# Altium PCB N-CW7Rev00.PcbDoc (part 4 of 4)
Units mm, origin at the board's own origin, x right, y up, seen from the top; angles counter-clockwise.
Board outline 137.9 x 91 mm, 2 copper layers (Top Layer, Bottom Layer), stack 1.54 mm thick; 332 components, 212 nets, 959 pads, 533 vias.
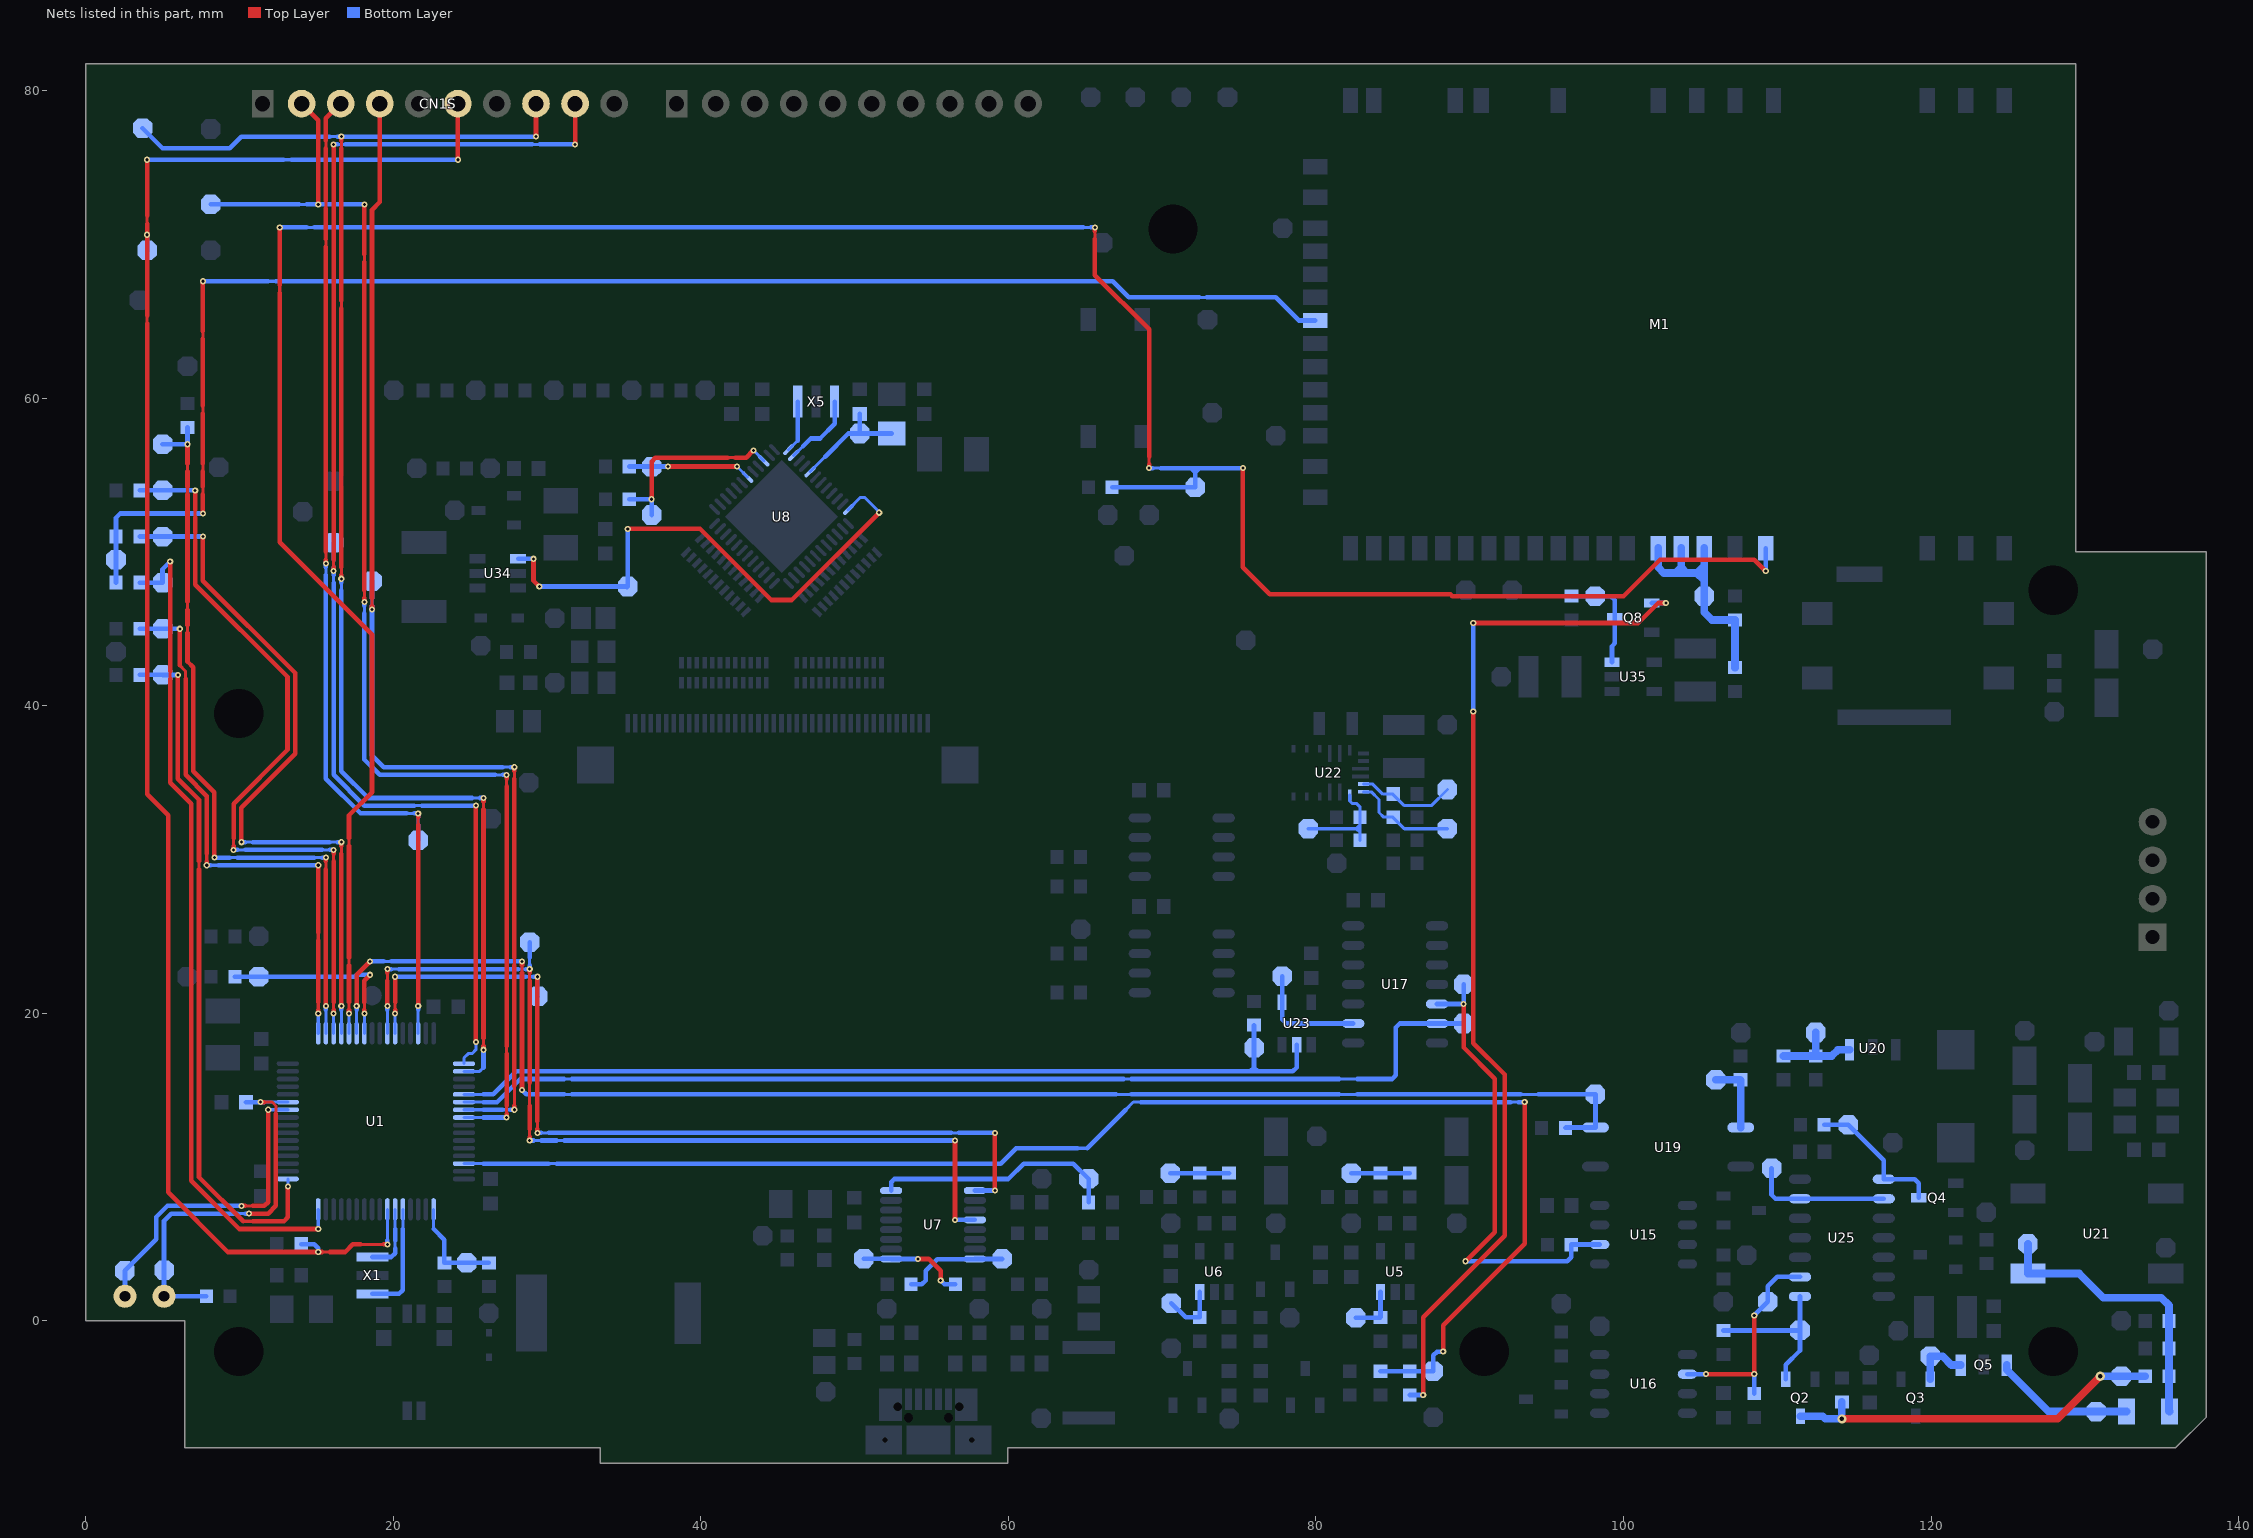
[diagram p4: the nets of this part, all layers, seen from the top]

## Via types
v1: diameter 0.4, hole 0.2, Top Layer to Bottom Layer, tented both sides, 308 vias
v2: diameter 0.8, hole 0.4, Top Layer to Bottom Layer, tented both sides, 104 vias
v3: diameter 0.5, hole 0.2, Top Layer to Bottom Layer, tented both sides, 64 vias
v4: diameter 0.5, hole 0.2, Top Layer to Bottom Layer, 25 vias
v5: diameter 0.6, hole 0.3, Top Layer to Bottom Layer, tented both sides, 20 vias
v6: diameter 1, hole 0.5, Top Layer to Bottom Layer, tented both sides, 12 vias

## Nets (pads, with @x,y where several pads share a name; then routed paths per layer and width w, separated by ;. In a path a pad name is that pad's centre, name@x,y a point inside that pad or via, vN(x,y) a via of type N, cw(c..) or ccw(c..) an arc to the next point about the centre after c; other vN are vias at no path point) (continued)
NetM1_A8: M1.A8 R78.1 R79.1 TP105.1 | length 98.5
  Top Layer w0.2: 7.625,53.75 7.625,54.25 ; 7.625,55.25 7.625,55.75 ; 7.625,59 7.625,59.5 ; 7.625,63.85 7.625,64.35
  Top Layer w0.3: v1(7.625,52.5) 7.625,53.75 ; 7.625,54.25 7.625,55.25 ; 7.625,55.75 7.625,59 ; 7.625,59.5 7.625,63.85 ; 7.625,64.35 v1(7.625,67.6)
  Bottom Layer w0.2: 11.875,67.6 12.375,67.6 ; 72.4,66.55 72.9,66.55
  Bottom Layer w0.3: R78.1@1.975,48 R79.1@1.975,51 1.975,52.225 2.25,52.5 v1(7.625,52.5) ; v1(7.625,67.6) 11.875,67.6 ; 12.375,67.6 13.875,67.6 63.25,67.6 66.775,67.6 67.825,66.55 72.4,66.55 ; 72.9,66.55 77.375,66.55 78.875,65.05 M1.A8@79.95,65.05
NetM1_C14: M1.C14 M1.C15 M1.C16 R104.2 R106.1 TP190.1 | length 17.1
  Bottom Layer w0.5: M1.C14@102.25,50.25 102.25,49 102.625,48.625 103.375,48.625 ; M1.C15@103.75,50.25 103.75,49 ; M1.C16@105.25,50.25 105.25,49.1 ; R106.1@107.25,42.475 R104.2@107.25,45.575 105.75,45.575 105.25,46.075 TP190.1@105.25,47.125 105.25,48.15 ; 103.375,48.625 104.125,48.625 ; 103.375,48.625 103.75,49 ; 103.75,49 104.125,48.625 ; 104.125,48.625 104.775,48.625 ; 104.775,48.625 105.25,48.15 ; 104.775,48.625 105.25,49.1 ; 105.25,48.15 105.25,49.1
NetQ2_1: Q2.1 R77.2 TP150.1 U25.8 | length 10.7
  Bottom Layer w0.3: R77.2@106.5,-0.625 TP150.1@111.475,-0.625 ; Q2.1@110.55,-3.8 110.55,-2.85 111.475,-1.925 TP150.1@111.475,-0.625 ; U25.8@111.475,1.59 TP150.1@111.475,-0.625
NetQ2_3: Q2.3 R72.1 R75.1 TP151.1 | length 24.7
  Top Layer w0.5: v5(114.2,-6.375) 128.225,-6.375 v5(131,-3.6)
  Bottom Layer w0.5: Q2.3@111.5,-6.2 112.95,-6.2 113.125,-6.375 v5(114.2,-6.375) R75.1@114.2,-5.275 ; v5(131,-3.6) TP151.1@132.375,-3.6 R72.1@133.925,-3.6
NetQ3_2: Q3.2 Q5.1 TP153.1 | length 3.7
  Bottom Layer w0.5: Q3.2@119.95,-3.8 TP153.1@119.95,-2.3 120.75,-2.3 121.325,-2.875 Q5.1@121.925,-2.875
NetQ4_3: Q4.3 R69.2 TP148.1 U25.1 | length 9.4
  Bottom Layer w0.3: R69.2@113.05,12.75 TP148.1@114.625,12.75 116.925,10.45 U25.1@116.925,9.21 118.94,9.21 119.2,8.95 Q4.3@119.2,8
NetQ5_3: Q5.3 R76.1 TP187.1 | length 9.2
  Bottom Layer w0.5: Q5.3@124.925,-2.875 124.925,-3.175 127.65,-5.9 TP187.1@130.725,-5.9 R76.1@132.7,-5.9
NetQ8_1: Q8.1 R101.2 | length 68.1
  Top Layer w0.3: v1(86.975,-4.825) 86.975,0.225 92.275,5.525 92.275,16.019 90.231,18.063 v1(90.231,39.619) ; v1(90.231,45.375) 100.95,45.375 102.25,46.675 v1(102.75,46.675)
  Bottom Layer w0.3: R101.2@86.1,-4.825 v1(86.975,-4.825) ; v1(90.231,39.619) v1(90.231,45.375) ; Q8.1@101.825,46.675 v1(102.75,46.675)
NetQ8_3: Q8.3 R100.1 TP188.1 U35.3 | length 7
  Bottom Layer w0.3: R100.1@96.625,47.125 99.175,47.125 99.425,46.875 Q8.3@99.425,45.725 99.425,44.05 99.25,43.875 U35.3@99.25,42.825
NetR1_2: R1.2 R2.1 TP47.1 U1.1 | length 6.7
  Bottom Layer w0.2: 22.625,5.975 U1.1@22.625,7.25
  Bottom Layer w0.3: 22.625,5.975 23.325,5.275 R1.2@23.325,3.775 TP47.1@24.775,3.775 R2.1@26.225,3.775
NetR11_1: R11.1 R12.2 TP73.1 | length 3.8
  Bottom Layer w0.3: TP73.1@82.3,9.6 R12.2@84.2,9.6 R11.1@86.1,9.6
NetR16_1: R16.1 R17.2 TP69.1 | length 3.8
  Bottom Layer w0.3: TP69.1@70.525,9.6 R17.2@72.45,9.6 R16.1@74.35,9.6
NetR19_2: R19.2 TP182.1 U6.3 | length 3.9
  Bottom Layer w0.3: TP182.1@70.6,1.15 71.525,0.225 R19.2@72.45,0.225 U6.3@72.45,1.875
NetR24_1: R24.1 TP64.1 U7.9 | length 7
  Top Layer w0.3: v1(54.125,4.025) 54.825,4.025 55.6,3.25 v1(55.6,2.625)
  Bottom Layer w0.3: TP64.1@50.6,4.05 52.353,4.05 U7.9@52.375,4.028 52.378,4.025 v1(54.125,4.025) ; v1(55.6,2.625) 55.85,2.375 R24.1@56.55,2.375
NetR25_1: R25.1 TP63.1 U7.8 | length 7
  Bottom Layer w0.3: R25.1@53.675,2.375 54.375,2.375 54.625,2.625 54.625,3.25 55.375,4 57.797,4 U7.8@57.825,4.028 57.828,4.025 TP63.1@59.6,4.025
NetR33_1: R33.1 TP81.1 U8.7 | length 8
  Top Layer w0.3: v1(37.875,55.55) v1(42.354,55.55)
  Bottom Layer w0.2: v1(42.354,55.55) U8.7@43.04,54.863
  Bottom Layer w0.3: R33.1@35.35,55.55 v1(37.875,55.55)
NetR34_1: R34.1 TP82.1 U8.10 | length 12.8
  Top Layer w0.2: 41.75,56.125 42.25,56.125
  Top Layer w0.3: v1(36.8,53.425) 36.8,55.875 37.05,56.125 41.75,56.125 ; 42.25,56.125 42.95,56.125 v1(43.425,56.6)
  Bottom Layer w0.2: v1(43.425,56.6) U8.10@44.101,55.924
  Bottom Layer w0.3: R34.1@35.35,53.425 v1(36.8,53.425) TP82.1@36.8,52.4
NetR48_2: R48.2 TP184.1 U22.17 | length 6.5
  Bottom Layer w0.2: U22.17@83.1,34.9 83.7,34.9 84.35,34.25 85,34.25 85.75,33.5 87.5,33.5 TP184.1@88.55,34.55
NetR50_2: R50.2 TP144.1 U15.6 U17.5 | length 31
  Top Layer w0.3: v1(89.6,20.605) 89.6,17.775 91.625,15.75 91.625,5.768 v1(89.732,3.875)
  Bottom Layer w0.3: U17.5@87.875,20.605 v1(89.6,20.605) TP144.1@89.6,21.875 ; v1(89.732,3.875) 96.35,3.875 96.6,4.125 R50.2@96.6,4.95 96.615,4.965 U15.6@98.45,4.965
NetR65_1: R65.1 TP161.1 U19.1 | length 4.7
  Bottom Layer w0.3: R65.1@107.6,15.675 R65.1@107.625,15.65
  Bottom Layer w0.5: TP161.1@106,15.675 R65.1@107.6,15.675 ; U19.1@107.625,12.57 R65.1@107.625,15.65
NetR67_2: R67.2 R68.1 TP162.1 U20.1 | length 6
  Bottom Layer w0.5: R68.1@110.4,17.225 R67.2@112.5,17.225 ; TP162.1@112.5,18.75 R67.2@112.5,17.225 ; U20.1@114.7,17.625 113.95,17.625 113.55,17.225 R67.2@112.5,17.225
NetR70_2: R70.2 TP149.1 U16.6 U25.9 | length 14
  Top Layer w0.3: v1(105.366,-3.465) v1(108.5,-3.465) v1(108.5,0.35)
  Bottom Layer w0.3: U16.6@104.15,-3.465 v1(105.366,-3.465) ; R70.2@108.5,-4.725 v1(108.5,-3.465) ; v1(108.5,0.35) 108.5,0.375 TP149.1@109.375,1.25 109.375,2.25 109.985,2.86 U25.9@111.475,2.86
NetR72_2: R72.2 R73.2 R74.2 R76.2 TP154.1 U21.1 | length 18.9
  Bottom Layer w0.5: TP154.1@126.3,5 U21.1@126.3,3.075 129.625,3.075 131.2,1.5 134.975,1.5 135.475,1 R73.2@135.475,0 R74.2@135.475,-1.8 R72.2@135.475,-3.6 135.475,-5.875 R76.2@135.5,-5.9
NetR94_2: R94.2 R95.1 TP186.1 U22.1 | length 7.5
  Bottom Layer w0.2: TP186.1@79.5,32 82.625,32 ; U22.1@82.2,34.2 82.2,33.8 82.35,33.65 82.625,33.65 82.875,33.4 R95.1@82.875,32.75 82.875,32.25 ; R94.2@82.875,31.25 82.875,31.75 ; 82.625,32 82.875,32 ; 82.625,32 82.875,31.75 ; 82.625,32 82.875,32.25 ; 82.875,31.75 82.875,32 ; 82.875,32 82.875,32.25
NetR96_2: R96.2 TP185.1 U22.18 | length 6.9
  Bottom Layer w0.2: U22.18@83.1,34.4 83.6,34.4 84.1,33.9 84.1,33.05 84.4,32.75 85,32.75 85.75,32 TP185.1@88.55,32
NetR99_2: R99.2 TP183.1 U5.3 | length 3.3
  Bottom Layer w0.3: TP183.1@82.6,0.2 84.175,0.2 R99.2@84.2,0.225 U5.3@84.2,1.875
NetR103_2: R103.2 TP87.1 U1.39 | length 12.8
  Top Layer w0.2: 18.125,20.225 18.125,20.725
  Top Layer w0.3: v1(18.125,19.975) 18.125,20.225 ; 18.125,20.725 18.125,22.125 v1(18.5,22.5)
  Bottom Layer w0.2: U1.39@18.125,18.7 v1(18.125,19.975)
  Bottom Layer w0.3: R103.2@9.7,22.375 TP87.1@11.25,22.375 17.5,22.375 17.625,22.5 v1(18.5,22.5)
NetTP85_1: TP85.1 U8.24 U34.4 | length 35.9
  Top Layer w0.3: v1(29.125,49.55) 29.125,48.125 v1(29.5,47.75) ; v1(35.25,51.5) 39.95,51.5 44.575,46.875 45.925,46.875 v1(51.6,52.55)
  Bottom Layer w0.2: U8.24@49.581,52.742 50.389,53.55 50.65,53.55 v1@51.6,52.6
  Bottom Layer w0.3: U34.4@28.125,49.55 v1(29.125,49.55) ; v1(29.5,47.75) 35.15,47.75 35.2,47.7 TP85.1@35.25,47.75 v1(35.25,51.5) ; v1(51.6,52.55) v1@51.6,52.6
NetTP141_1: TP141.1 U17.9 U23.4 | length 7.5
  Bottom Layer w0.3: TP141.1@77.8,22.41 U23.4@77.8,20.71 77.8,19.595 78.06,19.335 U17.9@82.425,19.335
NetTP147_1: TP147.1 U25.2 U25.13 | length 9.1
  Bottom Layer w0.3: TP147.1@109.625,9.925 109.625,8.2 109.885,7.94 U25.13@111.475,7.94 U25.2@116.925,7.94
NetU1_5: U1.5 X1.1 | length 7.3
  Bottom Layer w0.2: 20.625,5.975 U1.5@20.625,7.25
  Bottom Layer w0.3: X1.1@18.65,1.75 20.375,1.75 20.625,2 20.625,5.975
NetU1_6: U1.6 X1.3 | length 4.4
  Bottom Layer w0.2: 20.125,4.725 20.125,5.225 ; 20.125,5.975 U1.6@20.125,7.25
  Bottom Layer w0.3: X1.3@18.65,4.15 19.875,4.15 20.125,4.4 20.125,4.725 ; 20.125,5.225 20.125,5.975
NetU8_13: U8.13 X5.1 | length 3.4
  Bottom Layer w0.2: U8.13@45.692,56.631 46.3,57.239
  Bottom Layer w0.3: 46.3,57.239 X5.1@46.3,59.775
NetU8_14: U8.14 X5.3 | length 5
  Bottom Layer w0.2: U8.14@46.045,56.277 46.654,56.886
  Bottom Layer w0.3: 46.654,56.886 47.143,57.375 47.75,57.375 48.7,58.325 X5.3@48.7,59.775
PWREN#: R23.1 TP65.1 U7.16 | length 15.8
  Bottom Layer w0.3: U7.16@52.375,8.473 52.375,9.025 52.575,9.225 60,9.225 61,10.225 64.225,10.225 TP65.1@65.225,9.225 R23.1@65.225,7.7
ST_JTAG_TCK: CN1S.9 TP15.1 U1.49 | length 88.5
  Top Layer w0.2: 16.125,49 16.125,49.5
  Top Layer w0.3: v1(16.125,48.75) 16.125,49 ; 16.125,49.5 v1(16.125,76.5) ; v1(25.375,18.125) v1(25.375,33.5) ; v1(31.825,76.5) CN1S.9@31.825,79.15
  Bottom Layer w0.2: 16.125,48 16.125,48.5 ; 16.125,49 16.125,49.5 ; 16.375,76.5 16.875,76.5 ; 21.375,33.5 21.875,33.5 ; U1.49@24.6,16.725 24.6,17.1 24.875,17.375 25.125,17.375 25.375,17.625 v1(25.375,18.125) ; 29.035,76.5 29.535,76.5
  Bottom Layer w0.3: 16.125,48 16.125,35.5 18.125,33.5 21.375,33.5 ; 16.125,48.5 v1(16.125,48.75) 16.125,49 ; 16.125,49.5 TP15.1@16.125,50.6 ; v1(16.125,76.5) 16.375,76.5 ; 16.875,76.5 29.035,76.5 ; 21.875,33.5 v1(25.375,33.5) ; 29.535,76.5 v1(31.825,76.5)
ST_JTAG_TDI: CN1S.8 TP16.1 U1.50 | length 98.7
  Top Layer w0.2: 16.625,48.5 16.625,49 ; 16.625,65.85 16.625,66.35 ; 16.625,76.25 16.625,76.75 ; 25.875,17.875 25.875,18.375 ; 25.875,33.25 25.875,33.75
  Top Layer w0.3: v1(16.625,48.25) 16.625,48.5 ; 16.625,49 16.625,65.85 ; 16.625,66.35 16.625,76.25 ; 16.625,76.75 v1(16.625,77) ; v1(25.875,17.625) 25.875,17.875 ; 25.875,18.375 25.875,33.25 ; 25.875,33.75 v1(25.875,34) ; v1(29.285,77) CN1S.8@29.285,79.15
  Bottom Layer w0.2: 15.875,77 16.375,77 ; 16.625,47.5 16.625,48 ; U1.50@24.6,16.225 25.625,16.225 25.875,16.475 ; 25.125,34 25.625,34
  Bottom Layer w0.3: TP16.1@3.7,77.55 5,76.25 9.375,76.25 10.125,77 15.875,77 ; 16.375,77 v1(29.285,77) ; 16.625,47.5 16.625,35.75 18.375,34 25.125,34 ; 16.625,48 v1(16.625,48.25) ; 25.625,34 v1(25.875,34) ; 25.875,16.475 v1(25.875,17.625)
ST_JTAG_TDO: CN1S.4 TP20.1 U1.55 | length 79.6
  Top Layer w0.2: 18.625,46.5 18.625,47 ; 27.875,13.975 27.875,15.25 ; 27.875,23.125 27.875,23.625 ; 27.875,35.25 27.875,35.75
  Top Layer w0.3: v1(18.625,46.25) 18.625,46.5 ; 18.625,47 18.625,72.25 19.125,72.75 CN1S.4@19.125,79.15 ; v1(27.875,13.725) 27.875,13.975 ; 27.875,15.25 27.875,23.125 ; 27.875,23.625 27.875,35.25 ; 27.875,35.75 v1(27.875,36)
  Bottom Layer w0.2: 18.625,46.5 18.625,47 ; U1.55@24.6,13.725 25.875,13.725 ; 27.125,13.725 27.625,13.725 ; 27.125,36 27.625,36
  Bottom Layer w0.3: 18.625,46.5 v1(18.625,46.25) 18.625,36.75 19.375,36 27.125,36 ; 18.625,47 TP20.1@18.625,48.1 ; 25.875,13.725 27.125,13.725 ; 27.625,13.725 v1(27.875,13.725) ; 27.625,36 v1(27.875,36)
ST_JTAG_TMS: CN1S.3 TP14.1 U1.46 | length 67.3
  Top Layer w0.2: 15.625,49.5 15.625,50 ; 15.625,69.85 15.625,70.35 ; 15.625,72.35 15.625,72.85 ; 15.625,76.25 15.625,76.75 ; 21.625,32.25 21.625,32.75
  Top Layer w0.3: v1(15.625,49.25) 15.625,49.5 ; 15.625,50 15.625,69.85 ; 15.625,70.35 15.625,72.35 ; 15.625,72.85 15.625,76.25 ; 15.625,76.75 15.625,78.19 CN1S.3@16.585,79.15 ; v1(21.625,20.475) 21.625,32.25 ; 21.625,32.75 v1(21.625,33)
  Bottom Layer w0.2: 15.625,48.5 15.625,49 ; 20.875,33 21.375,33 ; U1.46@21.625,18.7 21.625,20.225 ; 21.625,32.25 21.625,32.75
  Bottom Layer w0.3: 15.625,48.5 15.625,35.25 17.875,33 20.875,33 ; 15.625,49 v1(15.625,49.25) ; 21.375,33 v1(21.625,33) 21.625,32.75 ; 21.625,20.225 v1(21.625,20.475) ; TP14.1@21.625,31.25 21.625,32.25
ST_JTAG_TRST#: CN1S.2 TP21.1 U1.56 | length 87.8
  Top Layer w0.2: 18.125,47 18.125,47.5 ; 18.125,68.85 18.125,69.35 ; 27.375,13.475 27.375,13.975 ; 27.375,17.375 27.375,17.875 ; 27.375,34.75 27.375,35.25
  Top Layer w0.3: CN1S.2@14.045,79.15 15.125,78.07 v1(15.125,72.6) ; v1(18.125,46.75) 18.125,47 ; 18.125,47.5 18.125,68.85 ; 18.125,69.35 v1(18.125,72.6) ; v1(27.375,13.225) 27.375,13.475 ; 27.375,13.975 27.375,17.375 ; 27.375,17.875 27.375,34.75 ; 27.375,35.25 v1(27.375,35.5)
  Bottom Layer w0.2: 13.875,72.6 14.375,72.6 ; 18.125,46 18.125,46.5 ; U1.56@24.6,13.225 25.875,13.225 ; 26.625,35.5 27.125,35.5
  Bottom Layer w0.3: TP21.1@8.125,72.6 13.875,72.6 ; 14.375,72.6 v1(15.125,72.6) v1(18.125,72.6) ; 18.125,46 18.125,36.5 19.125,35.5 26.625,35.5 ; 18.125,46.5 v1(18.125,46.75) ; 25.875,13.225 v1(27.375,13.225) ; 27.125,35.5 v1(27.375,35.5)
ST_RST#: C8.2 CN1S.6 TP49.1 U1.7 | length 112.4
  Top Layer w0.2: 4,64.85 4,65.35 ; 4,71.35 4,71.85 ; 15.375,4.475 15.875,4.475 ; 17.875,4.975 19.375,4.975
  Top Layer w0.3: 4,64.85 4,34.25 5.375,32.875 5.375,8.35 9.25,4.475 v1(15.125,4.475) 15.375,4.475 ; 4,65.35 4,71.35 ; 4,71.85 v1(4,75.5) ; 15.875,4.475 16.875,4.475 17.375,4.975 17.875,4.975 ; 19.375,4.975 v1(19.625,4.975) ; v1(24.205,75.5) CN1S.6@24.205,79.15
  Bottom Layer w0.2: 12.875,75.5 13.375,75.5 ; 19.625,5.225 U1.7@19.625,7.25
  Bottom Layer w0.3: TP49.1@4,69.6 v1(4,70.625) ; v1(4,75.5) 12.875,75.5 ; 13.375,75.5 v1(24.205,75.5) ; C8.2@14.025,4.975 14.875,4.975 15.125,4.725 v1(15.125,4.475) ; v1(19.625,4.975) 19.625,5.225
ST_SPI2_MISO: R82.2 TP107.1 U1.34 | length 49
  Top Layer w0.2: 6.625,44.75 6.625,45.25 ; 6.625,46.25 6.625,46.75 ; 6.625,53.75 6.625,54.25 ; 6.625,55.25 6.625,55.75 ; 15.625,29.375 15.625,29.875
  Top Layer w0.3: 6.625,44.75 6.625,42.875 7,42.5 7,35.75 8.375,34.375 v1(8.375,30.125) ; 6.625,45.25 6.625,46.25 ; 6.625,46.75 6.625,53.75 ; 6.625,54.25 6.625,55.25 ; 6.625,55.75 v1(6.625,57) ; v1(15.625,20.475) 15.625,29.375 ; 15.625,29.875 v1(15.625,30.125)
  Bottom Layer w0.2: 9.375,30.125 9.875,30.125 ; 14.875,30.125 15.375,30.125 ; U1.34@15.625,18.7 15.625,19.975 15.625,20.225
  Bottom Layer w0.3: TP107.1@5,57 v1(6.625,57) R82.2@6.625,58.1 ; v1(8.375,30.125) 9.375,30.125 ; 9.875,30.125 14.875,30.125 ; 15.375,30.125 v1(15.625,30.125) ; 15.625,20.225 v1(15.625,20.475)
ST_SPI2_MOSI: R81.2 TP108.1 U1.33 | length 36.9
  Top Layer w0.2: 6.125,42.625 6.5,42.25 6.5,41.75 ; 7.875,29.875 7.875,30.375 ; 15.125,20.225 15.125,20.725 ; 15.125,24.75 15.125,25.25
  Top Layer w0.3: 6.125,42.625 v1(6.125,45) ; 6.5,41.75 6.5,35.5 7.875,34.125 7.875,30.375 ; v1(7.875,29.625) 7.875,29.875 ; v1(15.125,19.975) 15.125,20.225 ; 15.125,20.725 15.125,24.75 ; 15.125,25.25 v1(15.125,29.625)
  Bottom Layer w0.2: 8.125,29.625 8.625,29.625 ; U1.33@15.125,18.7 v1(15.125,19.975)
  Bottom Layer w0.3: R81.2@3.525,45 TP108.1@5,45 v1(6.125,45) ; v1(7.875,29.625) 8.125,29.625 ; 8.625,29.625 v1(15.125,29.625)
ST_SPI2_NSS: R79.2 TP110.1 U1.36 | length 48.1
  Top Layer w0.2: 16.625,30.375 16.625,30.875
  Top Layer w0.3: 7.625,49.375 7.625,48.125 ; v1(7.625,51) 7.625,48.125 ; v1(10.125,31.125) 10.125,33.375 13.625,36.875 13.625,42.125 7.625,48.125 ; v1(16.625,20.475) 16.625,30.375 ; 16.625,30.875 v1(16.625,31.125)
  Bottom Layer w0.2: 10.375,31.125 10.875,31.125 ; 15.875,31.125 16.375,31.125 ; U1.36@16.625,18.7 16.625,20.225
  Bottom Layer w0.3: R79.2@3.525,51 TP110.1@5,51 v1(7.625,51) ; v1(10.125,31.125) 10.375,31.125 ; 10.875,31.125 15.875,31.125 ; 16.375,31.125 v1(16.625,31.125) ; 16.625,20.225 v1(16.625,20.475)
ST_SPI2_SCK: R83.2 TP106.1 U1.35 | length 49.8
  Top Layer w0.2: 7.125,50.75 7.125,51.25 ; 7.125,52.25 7.125,52.75 ; 9.625,30.875 9.625,31.375 ; 16.125,20.225 16.125,20.725 ; 16.125,29.875 16.125,30.375
  Top Layer w0.3: 7.125,48.3 7.125,47.875 ; 7.125,50.75 7.125,47.875 ; 7.125,51.25 7.125,52.25 ; 7.125,52.75 v1(7.125,54) ; v1(9.625,30.625) 9.625,30.875 ; 9.625,31.375 9.625,33.625 13.125,37.125 13.125,41.875 7.125,47.875 ; v1(16.125,19.975) 16.125,20.225 ; 16.125,20.725 16.125,21.875 16.125,29.875 ; 16.125,30.375 v1(16.125,30.625)
  Bottom Layer w0.2: 9.875,30.625 10.375,30.625 ; 15.375,30.625 15.875,30.625 ; U1.35@16.125,18.7 v1(16.125,19.975)
  Bottom Layer w0.3: R83.2@3.525,54 TP106.1@5,54 v1(7.125,54) ; v1(9.625,30.625) 9.875,30.625 ; 10.375,30.625 15.375,30.625 ; 15.875,30.625 v1(16.125,30.625)
ST_UART2_RX: R80.2 TP109.1 U1.17 | length 45.3
  Top Layer w0.2: 7.375,29.375 7.375,29.875 ; 10.25,6.475 10.875,6.475
  Top Layer w0.3: v1(6,41.992) 6,35.25 7.375,33.875 7.375,29.875 ; 7.375,29.375 7.375,26.25 7.375,9.35 10.25,6.475 ; 10.875,6.475 12.9,6.475 13.15,6.725 v1(13.15,8.725)
  Bottom Layer w0.2: v1(13.15,8.725) U1.17@13.15,9.225
  Bottom Layer w0.3: R80.2@3.525,42 TP109.1@5,42 5.008,41.992 v1(6,41.992)
ST_UART2_TX: R78.2 TP111.1 U1.16 | length 54.7
  Top Layer w0.2: 5.5,41.75 5.5,42.25
  Top Layer w0.3: 5.5,41.75 5.5,35 6.875,33.625 6.875,9.1 10,5.975 v1(15.125,5.975) ; 5.5,42.25 v1(5.5,49.375)
  Bottom Layer w0.2: v1(15.125,5.975) U1.16@15.125,7.25
  Bottom Layer w0.3: R78.2@3.525,48 TP111.1@5,48 5,48.875 v1(5.5,49.375)
THM_MES: C12.2 R5.2 TH1.1 TP18.1 U1.27 | length 25.7
  Top Layer w0.2: 11.625,14.225 12.125,14.225 12.375,13.975 12.375,13.475
  Top Layer w0.3: v1(10.625,6.975) 11.875,6.975 12.375,7.475 12.375,13.475 ; v1(11.375,14.225) 11.625,14.225
  Bottom Layer w0.2: 9.875,6.975 10.375,6.975 ; 11.625,14.225 U1.27@13.15,14.225
  Bottom Layer w0.3: R5.2@7.85,1.6 TH1.1@5.1,1.6 TP18.1@5.1,3.3 5.1,6.5 5.575,6.975 9.875,6.975 ; 10.375,6.975 v1(10.625,6.975) ; C12.2@10.425,14.225 v1(11.375,14.225) 11.625,14.225
TWB_PWR: R49.1 TP39.1 U1.38 U19.4 | length 97.3
  Top Layer w0.2: 28.375,22.625 28.375,23.125
  Top Layer w0.3: v1(17.625,20.475) 17.625,22.5 v1(18.5,23.375) ; v1(28.375,15) 28.375,22.625 ; 28.375,23.125 v1(28.375,23.375)
  Bottom Layer w0.2: U1.38@17.625,18.7 17.625,19.975 17.625,20.225 ; 19.375,23.375 19.875,23.375 ; 31.125,14.725 31.625,14.725 ; 67,14.725 67.5,14.725 68,14.725 ; 81.5,14.725 82.675,14.725 ; 93.325,14.725 93.825,14.725 94.475,14.725
  Bottom Layer w0.3: 17.625,20.225 v1(17.625,20.475) ; v1(18.5,23.375) 19.375,23.375 ; 19.875,23.375 v1(28.375,23.375) ; v1(28.375,15) 28.65,14.725 31.125,14.725 ; 31.625,14.725 67,14.725 ; 68,14.725 81.5,14.725 ; 82.675,14.725 93.325,14.725 ; 94.475,14.725 95.55,14.725 TP39.1@98.175,14.725 U19.4@98.175,12.57 96.245,12.57 R49.1@96.225,12.55
TWB_RX: TP41.1 U1.54 U17.6 | length 68.9
  Bottom Layer w0.2: U1.54@24.6,14.225 25.875,14.225 ; 31.125,15.725 31.625,15.725 ; 67.5,15.725 68,15.725 ; 81.5,15.725 82.675,15.725
  Bottom Layer w0.3: 25.875,14.225 26.75,14.225 28.25,15.725 31.125,15.725 ; 31.625,15.725 67.5,15.725 ; 68,15.725 81.5,15.725 ; 82.675,15.725 84.95,15.725 85.2,15.975 85.2,19.075 85.46,19.335 U17.6@87.875,19.335 TP41.1@89.6,19.335
TWB_TX: R51.2 TP40.1 U1.53 U23.2 | length 59.8
  Bottom Layer w0.2: U1.53@24.6,14.725 25.875,14.725
  Bottom Layer w0.3: 25.875,14.725 26.5,14.725 28,16.225 75.725,16.225 ; R51.2@75.975,19.225 TP40.1@75.975,17.75 75.975,16.475 ; U23.2@78.75,17.96 78.75,16.475 78.5,16.225 76.225,16.225 ; 75.725,16.225 76.225,16.225 ; 75.725,16.225 75.975,16.475 ; 75.975,16.475 76.225,16.225
USB_RX: TP10.1 U1.42 U7.4 | length 60.4
  Top Layer w0.2: 19.625,22.125 19.625,22.625 ; 28.875,11.975 28.875,12.475 ; 28.875,13.975 28.875,15.475 ; 28.875,22.125 28.875,22.625
  Top Layer w0.3: v1(19.625,20.475) 19.625,22.125 ; 19.625,22.625 v1(19.625,22.875) ; v1(28.875,11.725) 28.875,11.975 ; 28.875,12.475 28.875,13.975 ; 28.875,15.475 28.875,15.975 28.875,22.125 ; 28.875,22.625 v1(28.875,22.875) ; v1(56.527,6.568) v1(56.527,11.725)
  Bottom Layer w0.2: U1.42@19.625,18.7 19.625,19.975 19.625,20.225 ; 19.875,22.875 20.375,22.875 ; 28.125,22.875 28.625,22.875 ; 28.875,23.125 28.875,23.625 ; 29.125,11.725 29.625,11.725 ; 30.625,11.725 31.125,11.725
  Bottom Layer w0.3: 19.625,20.225 v1(19.625,20.475) ; v1(19.625,22.875) 19.875,22.875 ; 20.375,22.875 28.125,22.875 ; 28.625,22.875 v1(28.875,22.875) 28.875,23.125 ; v1(28.875,11.725) 29.125,11.725 ; 28.875,23.625 TP10.1@28.875,24.625 ; 29.625,11.725 30.625,11.725 ; 31.125,11.725 v1(56.527,11.725) ; v1(56.527,6.568) U7.4@57.825,6.568
USB_TX: TP11.1 U1.43 U7.1 | length 59.2
  Top Layer w0.2: 20.125,20.225 20.125,20.725 ; 29.375,12.475 29.375,12.975
  Top Layer w0.3: v1(20.125,19.975) 20.125,20.225 ; 20.125,20.725 v1(20.125,22.375) ; v1(29.375,12.225) 29.375,12.475 ; 29.375,12.975 v1(29.375,22.375) ; v1(59.123,8.473) v1(59.123,12.225)
  Bottom Layer w0.2: U1.43@20.125,18.7 v1(20.125,19.975) ; 28.625,22.375 29.125,22.375 ; 29.625,12.225 30.125,12.225 ; 56.275,12.225 56.775,12.225
  Bottom Layer w0.3: v1(20.125,22.375) 28.625,22.375 ; 29.125,22.375 v1(29.375,22.375) 29.375,21.125 TP11.1@29.4,21.1 ; v1(29.375,12.225) 29.625,12.225 ; 30.125,12.225 56.275,12.225 ; 56.775,12.225 v1(59.123,12.225) ; U7.1@57.825,8.473 v1(59.123,8.473)
VCORE: C31.2 C33.1 TP86.1 U8.17 | length 7.6
  Bottom Layer w0.2: U8.17@47.106,55.217 48.089,56.2
  Bottom Layer w0.3: 48.089,56.2 49.589,57.7 TP86.1@50.325,57.7 ; C31.2@50.325,58.975 TP86.1@50.325,57.7 ; C33.1@52.425,57.7 TP86.1@50.325,57.7
VDDMES: TH1.2 TP17.1 U1.26 | length 21.9
  Top Layer w0.2: 10.375,7.475 10.875,7.475
  Top Layer w0.3: TH1.2@2.55,1.61 TH1.2@2.56,1.6 ; v1(10.125,7.475) 10.375,7.475 ; 10.875,7.475 11.625,7.475 11.875,7.725 ; 11.875,8.15 11.875,7.725 ; v1(11.875,13.725) 11.875,7.725
  Bottom Layer w0.2: v1(11.875,13.725) U1.26@13.15,13.725
  Bottom Layer w0.3: TP17.1@2.55,3.25 4.6,5.3 4.6,6.75 5.325,7.475 ; TH1.2@2.56,1.6 TP17.1@2.56,3.24 ; 5.875,7.475 5.325,7.475 ; v1(10.125,7.475) 5.325,7.475
WIFI_DETECT: M1.C18 R105.2 TP189.1 U1.37 | length 183.5
  Top Layer w0.2: 12.625,66.85 12.625,67.35 ; 17.125,20.225 17.125,20.725 ; 17.125,23.125 17.125,23.625 ; 17.125,30.875 17.125,31.375 ; 65.625,70.35 65.625,70.85 ; 69.15,55.7 69.15,56.2
  Top Layer w0.3: 12.625,66.85 12.625,50.625 18.625,44.625 18.625,34.375 17.125,32.875 17.125,31.375 ; 12.625,67.35 v1(12.625,71.1) ; v1(17.125,19.975) 17.125,20.225 ; 17.125,20.725 17.125,23.125 ; 17.125,23.625 17.125,30.875 ; 65.625,70.35 65.625,68 69.15,64.475 69.15,56.2 ; 65.625,70.85 v1(65.625,71.1) ; v1(69.15,55.45) 69.15,55.7 ; v1(75.25,55.45) 75.25,49 77,47.25 ; 77.65,47.25 77,47.25 ; v1(109.25,48.75) 108.5,49.5 102.375,49.5 100,47.125 88.875,47.125 88.75,47.25 77,47.25
  Bottom Layer w0.2: 14.375,71.1 14.875,71.1 ; U1.37@17.125,18.7 v1(17.125,19.975) ; 64.875,71.1 65.375,71.1 ; 69.4,55.45 69.9,55.45
  Bottom Layer w0.3: v1(12.625,71.1) 14.375,71.1 ; 14.875,71.1 64.875,71.1 ; 65.375,71.1 v1(65.625,71.1) ; R105.2@66.75,54.2 TP189.1@72.15,54.2 72.15,55.191 ; v1(69.15,55.45) 69.4,55.45 ; 69.9,55.45 71.891,55.45 ; v1(75.25,55.45) 72.409,55.45 ; v1(109.25,48.75) M1.C18@109.25,50.25 ; 71.891,55.45 72.409,55.45 ; 71.891,55.45 72.15,55.191 ; 72.15,55.191 72.409,55.45
WIFI_PWR: R101.1 R102.1 TP113.1 U1.62 | length 94.3
  Top Layer w0.3: v1(88.275,-2) 88.275,-0.275 93.575,5.025 v1(93.575,14.225)
  Bottom Layer w0.2: U1.62@24.6,10.225 25.875,10.225 ; 30.125,10.225 30.625,10.225 ; 64.5,11.225 65.125,11.225 ; 67.625,13.725 68.125,14.225 68.625,14.225 ; 92.675,14.225 93.175,14.225
  Bottom Layer w0.3: 25.875,10.225 30.125,10.225 ; 30.625,10.225 59.5,10.225 60.5,11.225 64.5,11.225 ; 65.125,11.225 67.625,13.725 ; 68.625,14.225 92.675,14.225 ; R102.1@84.2,-3.275 R101.1@86.1,-3.275 TP113.1@87.625,-3.275 87.625,-2.25 87.875,-2 v1(88.275,-2) ; 93.175,14.225 v1(93.575,14.225)
pads on no net: CN2. CN2.4 CN3. CN3.32 CN3.33 CN3.35 D5.2 D6.2 D7.2 D8.2 L10.1 L10.8 L15.6 L15.7 L16.3 L16.6 M1. U1.57 U2.1 U2.2 U3.1 U3.2 U7.2 U7.6 U7.7 U7.14 U7.15 U8.1 U8.8 U15.1 U15.4 U16.1 U16.4 U17.2 U17.4 U17.10 U17.12 U22.2 U22.4 U22.5 U22.6 U22.10 U22.11 U22.15 U23.1 U25.4 U25.6 U25.10 U35.4 X3.2 X3.3

## Polygon pours and split planes (outlines as drawn)
GND on Top Layer "GND_L01_P000" (solid, remove dead copper, pour order 0): 1.25,80.5 80.75,80.5 80.75,51.05 118.5,51.05 118.5,39.25 100.625,39.25 100.625,19.275 98.175,16.825 98.175,9.025 98.45,8.75 98.45,-7 67.5,-7 67.5,-0.775 48.025,-0.775 48.025,-7 7.25,-7 7.25,0.75 1.25,0.75
ISOGND on Top Layer "ISOGND_L01_P001" (solid, remove dead copper, pour order 1): 104.125,19.625 136.625,19.625 136.625,-7 104.125,-7
GND on Bottom Layer "GND_L02_P002" (solid, remove dead copper, pour order 2): 13.15,9.225 13.15,16.725 15.125,18.7 22.625,18.7 24.6,16.725 24.6,9.225 22.625,7.25 15.125,7.25

## Keep-outs
Keep-Out Layer:
  circle w0.1: c127.95,47.5 r1.85
  circle w0.1: c70.7,71 r2
  circle w0.1: c9.95,39.5 r2
  circle w0.1: c9.95,-2 r2
  circle w0.1: c90.95,-2 r2
  circle w0.1: c127.95,-2 r2
  lines w0.1: 33.45,-7.25 7,-7.25 7,0.25 7,0.5 1,0.5 1,80.75 136.9,80.75 136.9,-7.25 65.8,-7.25 ; 31,17 59,17 59,34 31,34 31,17

## Other copper
Top Layer:
  region net GND: 45.25,49.189 48.361,52.3 45.25,55.411 42.139,52.3
  rectangle net 5V: 89.675,5.7 90.125,6.25
  rectangle net 5V: 89.025,5.025 89.9,6.225
  rectangle net GND: 80.8,30.7 85.9,43.25
  rectangle net GND: 74.15,39.95 80.8,43.25
  rectangle net 5V: 75.55,35.65 80.25,39.5
Bottom Layer:
  rectangle net 5V: 63.5,35.85 75.45,39.25
  rectangle net GND: 60.5,40.45 74.2,42.75
  rectangle net GND: 76.7,39.95 82.1,43.25
  rectangle net GND: 82.275,37.35 84.1,38.2
  rectangle net GND: 82.1,38.1 85.9,43.25
  rectangle net 5V: 75.45,35.65 80.25,39.5
  rectangle net GND: 82.1,36.75 84.1,37.65
  rectangle net GND: 82.3,36.4 83.1,36.75
  rectangle net GND: 83.1,36.4 83.75,36.75
  rectangle net GND: 83.75,36.65 84,36.75
  rectangle net GND: 83.75,36.55 83.9,36.65

## Silkscreen, mask and mechanical layers (free items; w line width, h text height)
Bottom Overlay:
  rectangle: 1,56.5 1.95,67.15
  rectangle: 1,6.725 1.95,17.375
  lines w0.1: 1,6.725 1,17.375 1.95,17.375 1.95,6.725 1,6.725 ; 1,56.5 1,67.15 1.95,67.15 1.95,56.5 1,56.5
  lines w0.5: 91,20.1 132.95,20.1 132.95,37.25 91,37.25 91,20.1
  text "BUS/POWER" at 117.925,29.55 h2
  text "CONNECT" at 115.925,26.275 h2
  text "Brivis" at 45.925,-5.025 h1.5
  text "N-CW7 Rev00" at 45.9,-7.1 h1.5
Top Courtyard:
  lines w0.1: 0,0 0,0
  text "Board Cutout" at 133.896,57.454 h1.5 r90
  text "Board Cutout 1mm" at 8.35,-11.55 h1.5
  text "Board Cutout 1mm" at 107.775,-11.55 h1.5
Mechanical 8:
  lines w0.1: 33.45,-8.25 33.45,-9.25 59.95,-9.25 59.95,-8.25 135.9,-8.25 137.9,-6.25 137.9,50 129.4,50 129.4,81.75 0,81.75 0,0 6.45,0 6.45,-8.25 33.45,-8.25 ; 33.45,-8.25 33.45,-8.25 ; 31.25,18 ccw(c31.75,18) 31.75,17.5 58.25,17.5 ccw(c58.25,18) 58.75,18 58.75,33 ccw(c58.25,33) 58.25,33.5 31.75,33.5 ccw(c31.75,33) 31.25,33 31.25,18 ; 82.75,53.55 ccw(c83.25,53.55) 83.25,53.05 125.9,53.05 ccw(c125.9,53.55) 126.4,53.55 126.4,76.05 ccw(c125.9,76.05) 125.9,76.55 83.25,76.55 ccw(c83.25,76.05) 82.75,76.05 82.75,53.55
Mechanical 16:
  lines w0.127: -28.846,-58.039 -23.766,-58.039 ; -28.846,12.446 -23.766,12.446 ; -28.846,82.931 -23.766,82.931 ; 20.43,-128.524 20.43,-123.444 ; 20.43,148.336 20.43,153.416 ; 69.579,-128.524 69.579,-123.444 ; 69.579,148.336 69.579,153.416 ; 118.728,-128.524 118.728,-123.444 ; 118.728,148.336 118.728,153.416 ; 168.004,-128.524 168.004,-123.444 ; 168.004,148.336 168.004,153.416 ; 217.153,-128.524 217.153,-123.444 ; 217.153,148.336 217.153,153.416 ; 245.474,-115.824 359.774,-115.824 ; 245.474,-108.204 359.774,-108.204 ; 245.474,-100.584 283.574,-100.584 ; 266.302,-128.524 266.302,-123.444 ; 266.302,148.336 266.302,153.416 ; 283.574,-123.444 283.574,-108.204 283.574,-92.964 ; 315.578,-128.524 315.578,-123.444 ; 315.578,148.336 315.578,153.416 ; 336.914,-123.444 336.914,-108.204 ; 359.774,-58.039 364.854,-58.039 ; 359.774,12.446 364.854,12.446 ; 359.774,82.931 364.854,82.931 ; 245.474,-123.444 245.474,-92.964 ; 245.474,-123.444 359.774,-123.444 ; 245.474,-123.444 209.914,-123.444 209.914,-92.964 245.474,-92.964 ; 245.474,-92.964 283.574,-92.964 ; 283.574,-92.964 359.774,-92.964 359.774,-123.444 ; 359.774,-123.444 -23.766,-123.444 -23.766,148.336 359.774,148.336 359.774,-123.444 ; -28.846,-128.524 -28.846,153.416 364.854,153.416 364.854,-128.524 -28.846,-128.524
  text "1" at -4.809,149.987 h1.78
  text "2" at 44.23,149.987 h1.78
  text "3" at 93.489,149.987 h1.78
  text "4" at 142.782,149.987 h1.78
  text "5" at 192.058,149.987 h1.78
  text "6" at 241.08,149.987 h1.78
  text "7" at 290.61,149.987 h1.78
  text "8" at 339.632,149.987 h1.78
  text "A" at -26.941,116.002 h1.78
  text "A" at 361.679,116.002 h1.78
  text "B" at -26.941,45.39 h1.78
  text "B" at 361.679,45.39 h1.78
  text "C" at -26.941,-25.222 h1.78
  text "C" at 361.679,-25.222 h1.78
  text "D" at -26.941,-95.326 h1.78
  text "D" at 361.679,-95.326 h1.78
  text "ENGINEER:" at 246.744,-95.504 h1.14
  text "TITLE:" at 284.844,-95.504 h1.14
  text "RA" at 248.014,-98.552 h1.78
  text "Touchscreen Networker (Wi-Fi)" at 289.1,-101.675 h3
  text "PCB DESIGNER:" at 246.744,-102.997 h1.14
  text "RA" at 248.014,-106.172 h1.78
  text "DATE:" at 246.744,-110.744 h1.14
  text "PART NO.:" at 284.844,-110.744 h1.14
  text "REV:" at 338.184,-110.744 h1.14
  text ".PRINT_DATE" at 248.014,-113.792 h1.78
  text "N-CW7" at 286.114,-113.792 h1.78
  text "00" at 339.454,-113.792 h1.78
  text "FILE NAME:" at 246.744,-118.364 h1.14
  text "DWG NO:" at 284.844,-118.364 h1.14
  text "SCALE:" at 338.184,-118.364 h1.14
  text ".PCB_FILE_NAME_NO_PATH" at 248.014,-121.412 h1.78
  text "1" at -4.809,-126.873 h1.78
  text "2" at 44.23,-126.873 h1.78
  text "3" at 93.489,-126.873 h1.78
  text "4" at 142.782,-126.873 h1.78
  text "5" at 192.058,-126.873 h1.78
  text "6" at 241.08,-126.873 h1.78
  text "7" at 290.61,-126.873 h1.78
  text "8" at 339.632,-126.873 h1.78

## Dimensions
129.4,81.75 to 135.9,-8.25 on Mechanical 8
137.9,-6.25 to 0,0 on Mechanical 8
31.75,33.5 to 31.651,17.5 on Mechanical 8
31.25,18 to 58.75,18 on Mechanical 8
82.75,53.55 to 126.4,53.55 on Mechanical 8
83.25,76.55 to 83.25,53.05 on Mechanical 8
129.4,81.75 to 137.9,-6.25 on Mechanical 8
129.4,81.75 to 137.9,50 on Mechanical 8
137.9,50 to 137.9,-6.25 on Mechanical 8
135.9,-8.25 to 59.95,-9.25 on Mechanical 8
59.95,-9.25 to 33.45,-9.25 on Mechanical 8
33.45,-9.25 to 6.45,-8.25 on Mechanical 8
6.45,-8.25 to 0,0 on Mechanical 8
135.9,-8.25 to 0,0 on Mechanical 8
129.4,81.75 to 137.9,50 on Mechanical 8
0,81.75 to 129.4,81.75 on Mechanical 8
0,81.75 to 137.9,50 on Mechanical 8
6.45,-8.25 to 0,81.75 on Mechanical 8
6.45,-8.25 to 0,0 on Mechanical 8
0,0 to 0,81.75 on Mechanical 8

## Text inside footprints (layer, text, board x,y; h text height)
CN1S: Bottom Overlay "1" at 10.321,78.454 h1.52
CN1W: Bottom Overlay "1" at 37.271,78.504 h1.52
CN7: Bottom Overlay "1" at 136.375,24.225 h1.4